# Altium PCB PCB_CL-STM32.PcbDoc (continued)
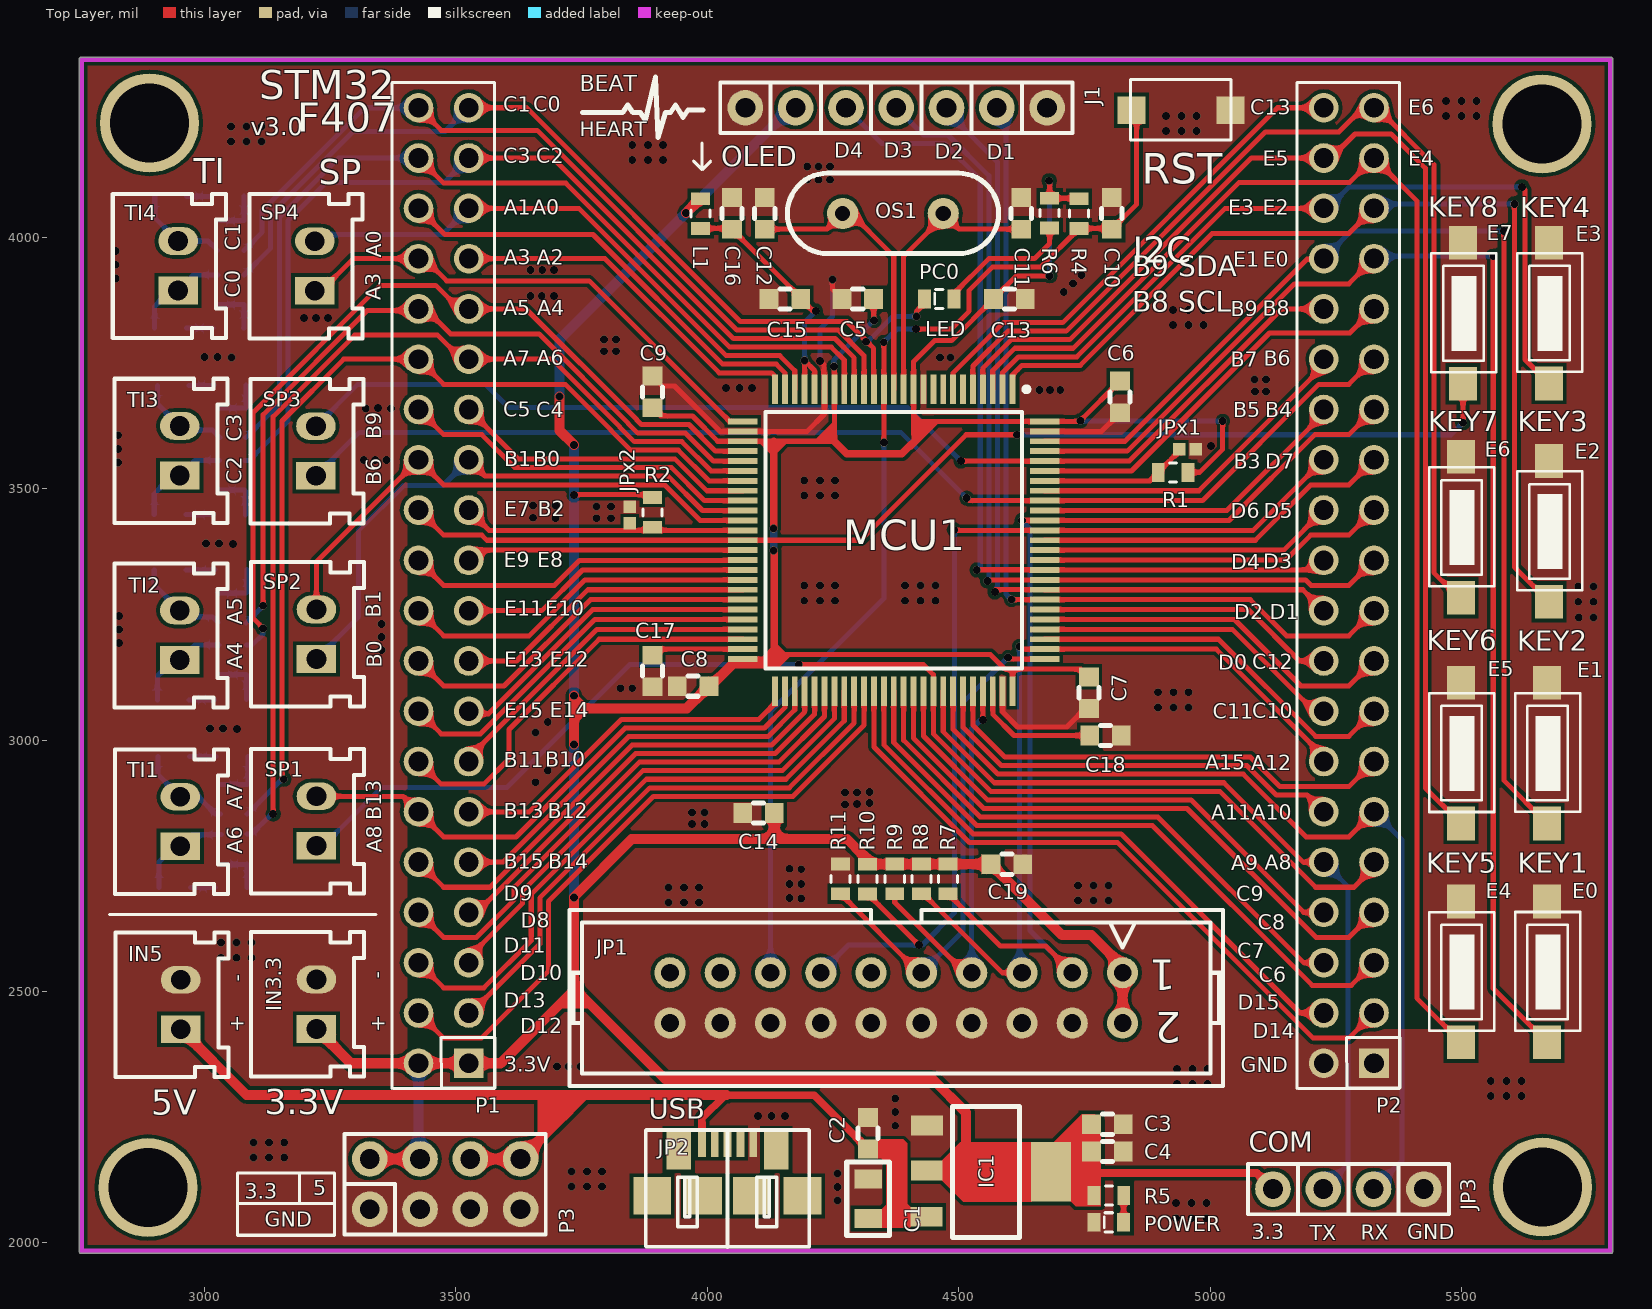
[diagram p0: Top Layer view]
## Nets (pads, with @x,y where several pads share a name; then routed paths per layer and width w, separated by ;. In a path a pad name is that pad's centre, name@x,y a point inside that pad or via, vN(x,y) a via of type N, cw(c..) or ccw(c..) an arc to the next point about the centre after c; other vN are vias at no path point)
3.3V: C3.2 C4.2 C5.2 C6.2 C7.2 C8.2 C9.2 C13.2 C14.2 C19.2 IC1.2 IN3.3.1 J1.2 JP1.1 JP1.2 JP3.1 L1.2 MCU1.11 MCU1.19 MCU1.28 MCU1.50 MCU1.75 MCU1.100 P1.1 P1.2 P3.2 P3.4 R1.1 R2.1 R4.2 R5.1 R6.1 R7.2 R8.2 R9.2 R10.2 | length 10079
  Top Layer w10: v1(3735,3487) 3736.05,3488.05 3890.94,3488.05 R2.1 ; C9.2 3907.45,3644.23 3970.81,3644.23 4020.96,3594.08 MCU1.28 4132,3594.08 4252.83,3594.08 MCU1.19 4252.83,3742.17 v1(4252,3743) ; 4053,3153 4061.01,3161.01 MCU1.50 4124.01,3161.01 4133,3170 4563,3170 4592,3141 4743.5,3141 C7.2 C7.2@4749.5,3135 ; J1.2@4167.89,4257.23 J1.2 ; C5.2 4330.94,3834.94 4331.89,3834 v1(4332,3834) ; MCU1.75 4607.17,3141 ; v1(4680,4112) 4680.94,4111.06 R6.1 4738.5,4077.23 R4.2 ; v1(4681,3923) 4615.22,3923 C13.2 4486.22,3794 4452,3794 4410.31,3752.32 MCU1.11 4410.31,3630.68 4429.5,3611.5 4451.45,3633.45 MCU1.100 4740.67,3633.45 v1(4742,3634.78) C6.2 ; R1.1 4979.23,3532.23 5025,3578 v1(5025,3634)
  Top Layer w15: C8.2 4049.5,3153 4053,3153 ; v1(4132,3377.17) 4133,3376.17 4133,3170 ; v1(4132,3421) 4132,3594.08 ; 4252.83,3594.08 4277.92,3569 4387,3569 4429.5,3611.5 ; IC1.2@4683.56,2141.31 4685.87,2139 5093,2139 JP3.1
  Top Layer w20: IN3.3.1 3291.34,2357.23 P1.2 P1.1 3589.23,2357.23 3735,2503 v1(3735,2687) 3735,2688 3850,2803 4133.5,2803 ; P3.2 P3.4 P3.4@3425.94,2170.06 ; v1(3706,3683) 3706,3616 v1(3735,3587) ; 3735,2507 3916,2326 4448,2326 4515,2259 4515,2191 4516,2190 ; v1(3735,3088) v1(3735,2991) 3735,3063 3959.5,3063 C8.2 ; v1(3958,4048) 3986.29,4076.29 L1.2 ; C14.2 4133.5,2803 ; R10.2@4319,2753.29 R8.2 R7.2 4564.22,2753.29 C19.2 4705.5,2612 4764,2612 4825.94,2550.06 JP1.1 JP1.2 ; R10.2@4322,2759 4278,2803 4133.5,2803
  Bottom Layer w10: v1(4252,3743) 4252,3756.11 4307.77,3811.87 4307.87,3811.87 4330,3834 v1(4332,3834) ; v1(4680,4112) 4681,4111 v1(4681,3923) ; v1(4742,3634.78) 4742.78,3634 v1(5025,3634)
  Bottom Layer w15: v1(4132,3377.17) v1(4132,3421)
  Bottom Layer w20: P1.2 3425.94,2170.06 P3.4 ; v1(3706,3683) 3706,3796 4167.23,4257.23 J1.2 ; v1(3735,2687) v1(3735,2991) ; v1(3735,3088) v1(3735,3487) v1(3735,3587)
5V: C1.2 C2.2 IC1.3 IN5.1 JP2.1 P3.6 P3.7 | length 1837.3
  Top Layer w15: JP2.1 3989.5,2247.94 4035.56,2294 4212.5,2294 C2.2
  Top Layer w20: IN5.1 3083.82,2294 3666,2294 3709.5,2250.5 3712.5,2250.5 ; P3.6 P3.7 3712.5,2250.5 ; 4038.56,2294 3756,2294 3712.5,2250.5
BOOT0: JPx1.1 MCU1.94 R1.2 | length 294.6
  Top Layer w10: MCU1.94 4880,3515.34 R1.2 JPx1.1@4940.62,3575.97
BOOT1: JPx2.1 MCU1.37 P1.23 R2.2 | length 561.5
  Top Layer w10: P1.23 3566.26,3416.92 MCU1.37
DC: J1.6 MCU1.82 P2.19 | length 1761.5
  Top Layer w10: v1(4605.06,3279.12) MCU1.82 5080.01,3279.12 5151.9,3207.23 5275.94,3207.23 P2.19
  Bottom Layer w10: J1.6 4593.94,4239.23 4593.94,3290.23 v1(4605.06,3279.12)
GND: C1.1 C2.1 C3.1 C4.1 C5.1 C6.1 C7.1 C8.1 C9.1 C10.1 C11.2 C12.2 C13.1 C14.1 C15.1 C16.1 C17.2 C18.2 C19.1 CTI1.2 CTI2.2 CTI3.1 CTI4.1 CTI5.2 CTI6.2 CTI7.1 CTI8.1 CTI9.2 CTI10.2 CTI11.1 CTI12.1 CTI13.2 CTI14.2 CTI15.1 CTI16.1 IC1.1 IN3.3.2 IN5.2 J1.1 J1.7 JP1.4 JP1.6 JP1.8 JP1.10 JP1.12 JP1.14 JP1.16 JP1.18 JP1.20 JP2.5 JP3.4 JPx1.2 JPx2.2 KEY1.2 KEY2.2 KEY3.2 KEY4.2 KEY5.2 KEY6.2 KEY7.2 KEY8.2 MCU1.10 MCU1.20 MCU1.27 MCU1.74 MCU1.99 P2.1 P2.2 P3.1 P3.3 P3.5 P3.8 POWER.2 R11.1 RST.2 | length 1559
  Top Layer w10: C9.1 3910.67,3704 3935.08,3704 4025.32,3613.77 MCU1.27 4198.73,3613.77 4233.15,3648.19 MCU1.20 4232.13,3698.45 4232.13,3745.87 v1(4224,3754) ; v1(4249,3916) 4249,3896.18 C5.1 ; MCU1.74 4587.48,3055.56 4617.04,3026 4715.12,3026 4751.62,3062.5 C7.1 ; MCU1.99 4783.98,3613.77 C6.1
  Bottom Layer w10: CTI8.1 3020.5,3338 CTI7.1 ; CTI10.2 3017.82,3448 CTI9.2 ; CTI14.2 CTI13.2@3017.43,3818.81 ; CTI16.1 3014.64,4081 CTI15.1 ; CTI6.2 3020.54,3080 CTI5.2 ; CTI12.1 3018.68,3705.14 CTI11.1 ; CTI4.1 CTI3.1 ; CTI2.2 CTI1.2 ; v1(4224,3754) 4224,3817 4249,3842 v1(4249,3916)
  other v1: 4932,2049 4963,2049 4993,2049 4932,2079 4963,2079 4993,2079 4259,2084 4259,2111 3730,2112 3761,2112 3791,2112 4259,2138 3730,2142 3761,2142 3791,2142 3098,2170 3129,2170 3159,2170 3098,2200 3129,2200 3159,2200 4374,2233 4101,2252 4128,2252 4155,2252 4374,2260 4374,2287 5558,2292 5589,2292 5619,2292 4934,2316 4965,2316 4995,2316 5558,2322 5589,2322 5619,2322 4934,2346 4965,2346 4995,2346 3701,2351 3724,2351 3748,2351 5501,2504 5501,2531 5501,2558 3033,2567 3064,2567 3094,2567 3033,2597 3064,2597 3094,2597 3923,2677 3954,2677 3984,2677 4737,2681 4768,2681 4798,2681 4187,2685 4164,2686 3923,2707 3954,2707 3984,2707 4737,2711 4768,2711 4798,2711 4164,2714 4187,2714 4187,2743 4164,2744 3970,2833 3995,2833 3970,2856 3995,2856 4274,2872 4298,2873 4323,2875 4274,2896 4298,2896 4323,2897 3659,2916 3683,2939 5501,2942 5501,2969 5501,2996 3659,3015 3065,3022 3011,3023 3037,3023 3683,3036 4896,3065 4927,3065 4957,3065 4896,3095 4927,3095 4957,3095 3828,3103 3851,3103 3352,3179 2830,3193 3352,3205 2830,3220 3352,3231 5733,3244 5762,3244 2830,3247 5732,3275 5762,3275 4193,3277 4224,3277 4254,3277 4393,3277 4424,3277 4454,3277 5732,3305 5762,3305 4193,3307 4224,3307 4254,3307 4393,3307 4424,3307 4454,3307 5502,3389 3057,3390 3003,3391 3029,3391 5502,3416 3698,3441 3780,3441 3809,3441 3654,3442 5502,3443 3780,3464 3809,3464 3654,3466 3698,3466 4193,3486 4224,3486 4254,3486 4193,3516 4224,3516 4254,3516 2828,3552 3317,3557 3340,3557 3362,3557 2828,3579 5002,3585 2828,3606 3321,3659 3371,3659 3345,3660 5089,3693 5111,3693 4661,3696 4682,3696 4702,3696 4037,3700 4064,3700 4089,3700 5088,3717 5111,3717 3054,3761 4463,3761 4484,3761 3000,3762 3026,3762 3795,3773 3819,3773 3795,3796 3819,3796 5506,3814 4926,3825 4957,3825 4987,3825 3198,3839 3222,3839 3246,3839 5506,3841 4926,3855 4957,3855 4987,3855 5506,3868 3649,3883 3671,3883 3695,3883 4709,3891 4727,3908 2824,3918 4744,3925 3649,3935 3672,3935 3695,3935 2824,3945 2824,3972 4199,4114 4221,4114 4244,4114 4199,4140 4221,4140 4244,4140 3851,4153 3882,4153 3912,4153 3851,4183 3882,4183 3912,4183 3053,4190 3084,4190 3114,4190 4912,4211 4943,4211 4973,4211 3053,4220 3084,4220 3114,4220 4912,4241 4943,4241 4973,4241 5469,4241 5500,4241 5530,4241 5469,4271 5500,4271 5530,4271
I2C_SCL: MCU1.95 P2.31 | length 788.3
  Top Layer w10: MCU1.95 4843.74,3535.03 5117.94,3809.23 5277.94,3809.23 P2.31
I2C_SDA: MCU1.96 P2.32 SP3.2 | length 2226.9
  Top Layer w10: v1(4504.29,3554.71) MCU1.96 4839.38,3554.71 5141.9,3857.23 P2.32
  Bottom Layer w10: SP3.2 3305.23,3707.23 3558.77,3707.23 3605,3661 4398,3661 v1(4504.29,3554.71)
JTCK: JP1.9 MCU1.76 R11.2 | length 998.7
  Top Layer w10: R11.2 4421.94,2537.23 JP1.9 ; v1(4598,3164) 4601.18,3160.82 4671.14,3160.82 MCU1.76
  Bottom Layer w10: JP1.9 4508.94,2620.23 4508.94,3074.94 v1(4598,3164)
JTDI: JP1.5 MCU1.77 P2.14 R8.1 | length 1621.8
  Top Layer w10: R8.1 4429.76,2694.23 4586.76,2537.23 JP1.5 ; v1(4620.94,3186.23) 4626.48,3180.7 MCU1.77 5012.48,3180.7 5225.94,2967.23 P2.14
  Bottom Layer w10: v1(4620.94,3186.23) 4620.94,2542.23 JP1.5
JTDO: JP1.13 MCU1.89 P2.26 R10.1 | length 2015.4
  Top Layer w10: R10.1 4420.77,2592.23 v1(4421,2592.23) ; v1(4491,3418) 4492.27,3416.73 4671.14,3416.73 MCU1.89 5085.63,3416.92 P2.26
  Bottom Layer w10: JP1.13 4280.94,2592.23 v1(4421,2592.23) 4427.94,2592.23 4491.94,2656.23 4491.94,3417.06 v1(4491,3418)
JTMS: JP1.7 MCU1.72 R9.1 | length 799.9
  Top Layer w10: R9.1 4372.94,2676.93 4512.64,2537.23 JP1.7 ; v1(4548.11,3039.88) MCU1.72
  Bottom Layer w10: JP1.7 4525.94,3022.48 4543.34,3039.88 v1(4548.11,3039.88)
JTRST: JP1.3 MCU1.90 P2.27 R7.1 | length 2044.7
  Top Layer w10: R7.1 4582.94,2590.23 4672.94,2590.23 JP1.3 ; v1(4625.57,3436.6) MCU1.90 5037.64,3436.6 5208.27,3607.23 5275.94,3607.23 P2.27
  Bottom Layer w10: v1(4625.57,3436.6) 4641.94,3420.23 4641.94,2621.23 JP1.3
KEY1: KEY1.1 MCU1.97 P2.33 | length 2659.7
  Top Layer w10: MCU1.97 4835.03,3574.4 5167.86,3907.23 5275.94,3907.23 P2.33 ; v1(5563,3962) 5563,2505.92 KEY1.1
  Bottom Layer w10: P2.33 5330.71,3962 v1(5563,3962)
KEY2: KEY2.1 MCU1.98 P2.34 | length 2319.7
  Top Layer w10: MCU1.98 4830.67,3594.08 5192.59,3956 5212.18,3956 5225.94,3942.23 P2.34 ; v1(5584,4012) 5584,2919.89 KEY2.1
  Bottom Layer w10: P2.34 5280.71,4012 v1(5584,4012)
KEY3: KEY3.1 MCU1.1 P2.35 | length 1988.8
  Top Layer w10: MCU1.1 4607.17,3726.24 4625.92,3745 4741.92,3745 5004.15,4007.23 5275.94,4007.23 P2.35 ; v1(5605,4066) 5605,3343.85 KEY3.1
  Bottom Layer w10: P2.35 5328.18,4055 5339.18,4066 v1(5605,4066)
KEY4: KEY4.1 MCU1.2 P2.36 | length 1632.1
  Top Layer w10: MCU1.2 4587.48,3730.6 4618.88,3762 4734.88,3762 5030.11,4057.23 P2.36 ; v1(5620,4100) 5626,4094 5626,3756.82 KEY4.1
  Bottom Layer w10: P2.36 5233.94,4057.23 5276.71,4100 v1(5620,4100)
KEY5: KEY5.1 MCU1.3 P2.37 | length 2800.6
  Top Layer w10: MCU1.3 4567.8,3734.96 4611.84,3779 4727.84,3779 5057.07,4108.23 5276.94,4108.23 P2.37 5411,4072.18 5411,2486.79 KEY5.1
KEY6: KEY6.1 MCU1.4 P2.38 | length 2475.3
  Top Layer w10: MCU1.4 4548.11,3739.31 4604.8,3796 4720.8,3796 5082.03,4157.23 P2.38 5240.23,4157.23 5288,4205 5360,4205 5428,4137 5428,2904.76 KEY6.1
KEY7: KEY7.1 MCU1.5 P2.39 | length 2115.6
  Top Layer w10: MCU1.5 4528.43,3743.67 4597.75,3813 4713.75,3813 5109.99,4209.23 5256.23,4209.23 5304.23,4257.23 P2.39 5331.81,4257.23 5445,4144.04 5445,3332.73 KEY7.1@5502.89,3274.84
KEY8: KEY8.1 MCU1.38 P1.24 | length 2276.3
  Top Layer w10: P1.24 3475.94,3407.23 3551.9,3407.23 3561.9,3397.23 MCU1.38 4305.23,3397.23 4515,3607 v1(4616,3607) ; v1(5502.89,3630.89) KEY8.1
  Bottom Layer w10: v1(4616,3607) 5479,3607 v1(5502.89,3630.89)
LED: LED.2 MCU1.15 P1.39 RTI13.1 | length 1871.9
  Top Layer w10: P1.39 3640.94,4257.23 4065.94,3832.23 4277.77,3832.23 4331.13,3778.87 4331.13,3697.88 MCU1.15 ; v1(4415.94,3842.23) 4415.94,3852.23 4431.89,3868.18 LED.2
  Bottom Layer w10: RTI13.1 3132.09,3977.95 3132.09,4046.05 3296.04,4210 3478.71,4210 P1.39 ; v1(4316,3792) 4319,3792 4369.23,3842.23 v1(4415.94,3842.23)
NetC17_1: C17.1 MCU1.49 | length 186.6
  Top Layer w10: C17.1@3888.94,3169.23 3900.41,3180.7 MCU1.49
NetC18_1: C18.1 MCU1.73 | length 256
  Top Layer w10: MCU1.73 4567.98,3096.85 4567.98,3051.02 4610,3009 C18.1
NetCTI1_1: CTI1.1 RTI1.2 RTI2.1 | length 98.5
  Bottom Layer w10: RTI2.1 3084.23,2752.69 RTI1.2 3085.18,2707.19 CTI1.1
NetCTI2_1: CTI2.1 RTI2.2 TI1.1 | length 197.9
  Bottom Layer w10: CTI2.1 2909.68,2757.68 2940.69,2788.69 TI1.1 2975.23,2811.75 RTI2.2
NetCTI3_2: CTI3.2 RTI3.2 RTI4.1 | length 108.8
  Bottom Layer w10: RTI4.1 3085.12,2911.69 RTI3.2 3086.5,2913.07 CTI3.2
NetCTI4_2: CTI4.2 RTI4.2 TI1.2 | length 192.7
  Bottom Layer w10: CTI4.2 2907.5,2931.79 TI1.2 2987.88,2887.12 3022.36,2852.64 RTI4.2
NetCTI5_1: CTI5.1 RTI5.2 RTI6.1 | length 105.1
  Bottom Layer w10: RTI6.1 3084.12,3130.14 3083.67,3129.69 CTI5.1
NetCTI6_1: CTI6.1 RTI6.2 TI2.1 | length 195.1
  Bottom Layer w10: CTI6.1 2906.5,3126.5 2939.14,3159.14 TI2.1 2981.23,3189.19 RTI6.2
NetCTI7_2: CTI7.2 RTI7.2 RTI8.1 | length 103.7
  Bottom Layer w10: RTI8.1 3028.12,3292.19 RTI7.2 3084.5,3293.51 CTI7.2
NetCTI8_2: CTI8.2 RTI8.2 TI2.2 | length 187.2
  Bottom Layer w10: CTI8.2 2900.5,3308.24 TI2.2 2963.74,3245 3016.26,3245 RTI8.2
NetCTI9_1: CTI9.1 RTI9.2 RTI10.1 | length 100.6
  Bottom Layer w10: RTI10.1 3080.12,3497.14 RTI9.2 3081.67,3495.59 CTI9.1
NetCTI10_1: CTI10.1 RTI10.2 TI3.1 | length 198.8
  Bottom Layer w10: CTI10.1 2900.5,3489.5 2937.14,3526.14 TI3.1 2981.23,3556.19 RTI10.2
NetCTI11_2: CTI11.2 RTI11.2 RTI12.1 | length 97.2
  Bottom Layer w10: RTI12.1 3082.12,3660.14 RTI11.2 3082.67,3660.69 CTI11.2
NetCTI12_2: CTI12.2 RTI12.2 TI3.2 | length 188.7
  Bottom Layer w10: CTI12.2 2906.68,3669.06 TI3.2 2959.74,3616 3016.26,3616 RTI12.2
NetCTI13_1: CTI13.1 RTI13.2 RTI14.1 | length 99.1
  Bottom Layer w10: RTI14.1 RTI13.2 ; CTI13.1@3078.46,3818.81 3078.94,3819.3 RTI13.2
NetCTI14_1: CTI14.1 RTI14.2 TI4.1 | length 195
  Bottom Layer w10: CTI14.1 2901.45,3862.45 2932.81,3893.81 TI4.1 2979,3924.86 RTI14.2
NetCTI15_2: CTI15.2 RTI15.2 RTI16.1 | length 101.5
  Bottom Layer w10: RTI16.1 3078.89,4032.81 CTI15.2@3078.89,4081.36
NetCTI16_2: CTI16.2 RTI16.2 TI4.2 | length 193.7
  Bottom Layer w10: CTI16.2 2901.5,4038.67 TI4.2 3007.46,3992.23 RTI16.2
NetLED_1: LED.1 R6.2 | length 272.9
  Top Layer w10: LED.1 4490.94,3888.13 4560.05,3957.23 4650.94,3957.23 4680.94,3987.23 R6.2
NetPOWER_1: POWER.1 R5.2 | length 53.2
  Top Layer w10: POWER.1 4828,2093.77 R5.2
"OS 8M IN": C11.1 MCU1.12 OS1.2 | length 556.4
  Top Layer w10: MCU1.12 4390.63,3961.92 4459.45,4030.74 OS1.2@4459.45,4057.23 ; OS1.2 4500.94,4015.74 C11.1
"OS 8M OUT": C12.1 MCU1.13 OS1.1 | length 583.7
  Top Layer w10: C12.1 4237.95,4015.74 OS1.1 ; OS1.1@4259.45,4057.23 4275.94,4057.23 4370.94,3962.23 MCU1.13
"OS 32K IN": MCU1.8
"OS 32K OUT": MCU1.9
PA0: MCU1.23 P1.35 SP4.2 | length 1159.8
  Top Layer w10: P1.35 3744.78,4057.23 4037.78,3764.23 4144.37,3764.23 4174.09,3734.5 MCU1.23
  Bottom Layer w10: SP4.2 3219.77,4005 3473.71,4005 P1.35
PA1: MCU1.24 P1.36 | length 896.7
  Top Layer w10: P1.36 3478.18,4005 3772.97,4005 4030.74,3747.23 4137.32,3747.23 4154.41,3730.15 MCU1.24
PA2: MCU1.25 P1.33 | length 731.6
  Top Layer w10: P1.33 3796.7,3957.23 4023.7,3730.23 4127.86,3730.23 4134.72,3723.37 MCU1.25
PA3: MCU1.26 P1.34 SP4.1 | length 1011.5
  Top Layer w10: SP4.1 3232.52,3893.52 3296.23,3957.23 P1.34 3437.77,3957.23 3482,3913 3765.18,3913 4044.72,3633.45 MCU1.26
PA4: MCU1.29 P1.31 RTI5.1 | length 1705.6
  Top Layer w10: v1(3117,3222) 3097.13,3241.87 3097.13,3651.17 3349.96,3904 3460,3904 3506.77,3857.23 P1.31 3639.89,3857.23 3859.26,3637.86 3859.26,3637.06 3869.09,3627.23 3963.77,3627.23 4016.6,3574.4 MCU1.29
  Bottom Layer w10: RTI5.1 3095.14,3189.14 3117,3211 v1(3117,3222)
PA5: MCU1.30 P1.32 RTI7.1 | length 1594.5
  Top Layer w10: v1(3117,3266.96) 3117,3647 3323.96,3853.96 3422.67,3853.96 P1.32 3439.77,3857.23 3489.77,3807.23 3665.85,3807.23 3842.26,3630.82 3842.26,3630.02 3862.05,3610.23 3956.73,3610.23 4012.25,3554.71 MCU1.30
  Bottom Layer w10: RTI7.1 v1(3117,3266.96)
PA6: MCU1.31 P1.29 RTI1.1 | length 1971.6
  Top Layer w10: v1(3137,2853) 3137,3642.96 3299.04,3805 3464,3805 3511.77,3757.23 P1.29 3691.81,3757.23 3825.26,3623.78 3825.26,3622.98 3855.01,3593.23 3949.68,3593.23 4007.89,3535.03 MCU1.31
  Bottom Layer w10: RTI1.1 3093.64,2812.69 3133.95,2853 v1(3137,2853)
PA7: MCU1.32 P1.30 RTI3.1 | length 1885.3
  Top Layer w10: v1(3158,2922) 3154.48,2922 3154.48,3634.48 3277.23,3757.23 P1.30 3475.94,3707.23 3717.77,3707.23 3808.26,3616.74 3808.26,3615.94 3847.97,3576.23 3942.64,3576.23 4003.53,3515.34 MCU1.32
  Bottom Layer w10: RTI3.1 3154.48,2922 v1(3158,2922)
PA8: MCU1.67 P2.9 SP1.1 | length 2561.4
  Top Layer w10: v1(4182,3150) 4429.62,3150 4437.31,3142.31 4449.69,3129.94 MCU1.67 4449.69,3012.33 4564.01,2898 5019.18,2898 5209.94,2707.23 5285.94,2707.23 5325.94,2747.23 P2.9
  Bottom Layer w10: SP1.1@3244.43,2811 SP1.1 3236.57,2789.57 3353,2906 3602,2906 3846,3150 v1(4182,3150)
PA9: JP3.2 MCU1.68 P2.10 | length 1634.8
  Top Layer w10: MCU1.68 4469.37,3016.68 4571.05,2915 5027.18,2915 5184.94,2757.23 P2.10
  Bottom Layer w10: JP3.2 5274,2156 5274,2709.18 P2.10
PA10: JP3.3 MCU1.69 P2.11 | length 1819.2
  Top Layer w10: MCU1.69 4489.06,3021.04 4578.09,2932 5066.18,2932 5190.94,2807.23 5275.94,2807.23 P2.11
  Bottom Layer w10: JP3.3 5382,2164 5382,2801.18 P2.11
PA11: MCU1.70 P2.12 | length 858.5
  Top Layer w10: MCU1.70 4508.74,3025.4 4585.14,2949 5073.22,2949 5131.99,2890.23 5192.94,2890.23 P2.12
PA12: MCU1.71 P2.13 | length 936.4
  Top Layer w10: MCU1.71 4528.24,3096.85 4528.24,3029.94 4592.18,2966 5080.26,2966 5139.03,2907.23 5275.94,2907.23 P2.13
PB0: MCU1.35 P1.25 SP2.1 | length 1154.1
  Top Layer w10: P1.25 3557.94,3525.23 3921.52,3525.23 3990.46,3456.29 MCU1.35
  Bottom Layer w10: SP2.1 3307,3245.3 3307,3417 3396,3506 3474.71,3506 P1.25
PB1: MCU1.36 P1.26 SP2.2 | length 1076.3
  Top Layer w10: SP2.2 3223,3354.29 P1.26 3475.94,3507.23 3915.48,3507.23 3986.11,3436.6 MCU1.36
PB5: MCU1.91 P2.28 | length 642.9
  Top Layer w10: MCU1.91 5033.29,3456.29 5225.94,3648.94 P2.28
PB6: MCU1.92 P2.29 SP3.1 | length 2312.5
  Top Layer w10: v1(4516,3481) 4521.03,3475.97 MCU1.92 4985.01,3475.97 5216.27,3707.23 5275.94,3707.23 P2.29
  Bottom Layer w10: SP3.1 3308.3,3611.87 4385.13,3611.87 v1(4516,3481)
PB7: MCU1.93 P2.30 | length 670.9
  Top Layer w10: MCU1.93 4977.66,3495.66 5225.94,3743.94 P2.30
PB10: MCU1.47 P1.13 | length 658.3
  Top Layer w10: P1.13 3525.94,2965.11 3780.9,3220.07 MCU1.47
PB11: MCU1.48 P1.14 | length 817.3
  Top Layer w10: P1.14 3470.94,2912.23 3555.94,2912.23 3605.94,2962.23 3605.94,3021.07 3785.26,3200.38 MCU1.48
PB12: MCU1.51 P1.11 | length 722.4
  Top Layer w10: P1.11 3645.94,2857.23 3829.71,3041 4103,3041 4134.72,3072.72 MCU1.51
PB13: MCU1.52 P1.12 SP1.2 | length 1104.1
  Top Layer w10: SP1.2 3395.18,2888 P1.12 3475.94,2807.23 3619.99,2807.23 3836.75,3024 4114.09,3024 4154.41,3064.32 MCU1.52
PB14: MCU1.53 P1.9 | length 810.6
  Top Layer w10: P1.9 3594.03,2757.23 3843.8,3007 4121.13,3007 4174.09,3059.96 MCU1.53
PB15: MCU1.54 P1.10 | length 974.3
  Top Layer w10: P1.10 3475.94,2707.23 3568.07,2707.23 3850.84,2990 4128.18,2990 4193.78,3055.6 MCU1.54
PC1: MCU1.16 P1.40 RTI15.1 | length 1646.7
  Top Layer w10: P1.40 3470.94,4212.23 3661.9,4212.23 4058.9,3815.23 4261.03,3815.23 4311.89,3764.37 MCU1.16
  Bottom Layer w10: RTI15.1 3115.09,4009.95 3115.09,4053.09 3319.23,4257.23 P1.40
PC2: MCU1.17 P1.37 RTI9.1 | length 1921.8
  Top Layer w10: P1.37 3692.86,4157.23 4051.86,3798.23 4253.99,3798.23 4292.2,3760.01 MCU1.17
  Bottom Layer w10: RTI9.1 3089.14,3556.14 3166.09,3633.09 3166.09,4031.97 3243.12,4109 3477.71,4109 P1.37
PC3: MCU1.18 P1.38 RTI11.1 | length 1862.6
  Top Layer w10: P1.38 3475.94,4107.23 3718.82,4107.23 4044.82,3781.23 4246.94,3781.23 4272.52,3755.66 MCU1.18
  Bottom Layer w10: RTI11.1 3149.09,3668.05 3149.09,4039.01 3267.32,4157.23 P1.38
PC4: MCU1.33 P1.27 | length 611.7
  Top Layer w10: P1.27 3623.94,3559.23 3935.6,3559.23 3999.18,3495.66 MCU1.33
PC5: MCU1.34 P1.28 | length 719.9
  Top Layer w10: P1.28 3475.94,3607.23 3551.9,3607.23 3616.9,3542.23 3928.56,3542.23 3994.82,3475.97 MCU1.34
PC6: MCU1.63 P2.5 | length 1275.7
  Top Layer w10: MCU1.63 4370.94,2994.9 4535.84,2830 4885.18,2830 5202.94,2512.23 5280.94,2512.23 P2.5
PC7: MCU1.64 P2.6 | length 1116.2
  Top Layer w10: MCU1.64 4390.63,2999.26 4542.89,2847 4896.18,2847 5185.94,2557.23 P2.6
PC8: MCU1.65 P2.7 | length 1193.9
  Top Layer w10: MCU1.65 4410.31,3003.61 4549.93,2864 4954.18,2864 5210.94,2607.23 5275.94,2607.23 P2.7
PC9: MCU1.66 P2.8 | length 1030.3
  Top Layer w10: MCU1.66 4430,3007.97 4556.97,2881 4962.18,2881 5185.94,2657.23 P2.8
PC10: MCU1.78 P2.15 | length 755.5
  Top Layer w10: MCU1.78 5016.84,3200.38 5209.99,3007.23 5275.94,3007.23 P2.15
PC11: MCU1.79 P2.16 | length 622.3
  Top Layer w10: MCU1.79 5044.07,3220.07 5206.9,3057.23 P2.16
PC12: MCU1.80 P2.17 | length 730.4
  Top Layer w10: MCU1.80 5048.43,3239.75 5180.94,3107.23 5275.94,3107.23 P2.17
PC13: MCU1.7 P2.40 | length 987.9
  Top Layer w10: MCU1.7 4489.06,3730.15 4588.91,3830 4706.71,3830 5133.94,4257.23 P2.40
PD0: MCU1.81 P2.18 | length 597.1
  Top Layer w10: MCU1.81 5075.66,3259.44 5177.86,3157.23 P2.18
PD2: J1.5 MCU1.83 P2.20 | length 1692.1
  Top Layer w10: v1(4572,3294.14) 4572,3297.29 4573.71,3299 4670.95,3299 MCU1.83 5184.37,3298.81 P2.20
  Bottom Layer w10: J1.5 4475.94,4233.23 4493.03,4233.23 4576.94,4149.32 4576.94,3299.09 v1(4572,3294.14)
PD3: J1.4 MCU1.84 P2.21 | length 1842.6
  Top Layer w10: v1(4557,3316) 4559.49,3318.49 MCU1.84 5189.69,3318.49 5200.94,3307.23 5275.94,3307.23 P2.21
  Bottom Layer w10: J1.4 4430.14,4203 4479,4203 4559.94,4122.06 4559.94,3318.94 v1(4557,3316)
PD4: J1.3 MCU1.85 P2.22 | length 1804
  Top Layer w10: v1(4536,3338) 4536.55,3338.55 4670.76,3338.55 MCU1.85 5206.89,3338.18 P2.22
  Bottom Layer w10: J1.3 4347.18,4186 4471.96,4186 4542.94,4115.01 4542.94,3344.94 v1(4536,3338)
PD5: MCU1.86 P2.23 | length 696
  Top Layer w10: MCU1.86 5150.62,3357.86 5199.99,3407.23 5275.94,3407.23 P2.23
PD6: MCU1.87 P2.24 | length 587.8
  Top Layer w10: MCU1.87 5146.26,3377.55 P2.24
PD7: MCU1.88 P2.25 | length 721.1
  Top Layer w10: MCU1.88 5089.99,3397.23 5199.99,3507.23 5275.94,3507.23 P2.25
PD8: MCU1.55 P1.7 | length 896.5
  Top Layer w10: P1.7 3542.11,2657.23 3857.88,2973 4135.22,2973 4213.46,3051.25 MCU1.55
PD9: MCU1.56 P1.8 | length 1074.7
  Top Layer w10: P1.8 3475.94,2607.23 3540.94,2607.23 3616.15,2682.44 3616.15,2707.23 3864.92,2956 4142.26,2956 4233.15,3046.89 MCU1.56
PD10: MCU1.57 P1.5 | length 1003.4
  Top Layer w10: P1.5 3525.94,2568.19 3633.15,2675.4 3633.15,2700.19 3871.96,2939 4149.3,2939 4252.83,3042.53 MCU1.57
PD11: MCU1.58 P1.6 | length 1199.8
  Top Layer w10: P1.6 3475.94,2507.23 3555.94,2507.23 3650.15,2601.44 3650.15,2693.15 3879,2922 4156.34,2922 4272.52,3038.18 MCU1.58
PD12: MCU1.59 P1.3 | length 1122
  Top Layer w10: P1.3 3529.99,2457.23 3667.15,2594.4 3667.15,2686.11 3886.05,2905 4163.38,2905 4292.2,3033.82 MCU1.59
PD13: MCU1.60 P1.4 | length 1313.2
  Top Layer w10: P1.4 3475.94,2407.23 3550.94,2407.23 3684.15,2540.44 3684.15,2679.07 3893.09,2888 4170.43,2888 4311.89,3029.46 MCU1.60
PD14: MCU1.61 P2.3 | length 1365.7
  Top Layer w10: MCU1.61 4331.57,2986.19 4521.76,2796 4816.14,2796 5204.9,2407.23 5275.94,2407.23 P2.3
PD15: MCU1.62 P2.4 | length 1202.1
  Top Layer w10: MCU1.62 4351.26,2990.54 4528.8,2813 4823.18,2813 5178.94,2457.23 P2.4
PE8: MCU1.39 P1.21 | length 553.2
  Top Layer w10: P1.21 3546.26,3377.55 MCU1.39
PE9: MCU1.40 P1.22 | length 686.5
  Top Layer w10: P1.22 3475.94,3307.23 3695.94,3307.23 3745.94,3357.23 4070.12,3357.23 MCU1.40
PE10: MCU1.41 P1.19 | length 578.3
  Top Layer w10: P1.19 3670.94,3257.23 3751.89,3338.18 MCU1.41
PE11: MCU1.42 P1.20 | length 711.6
  Top Layer w10: P1.20 3475.94,3207.23 3645.94,3207.23 3757.2,3318.49 MCU1.42
PE12: MCU1.43 P1.17 | length 603.4
  Top Layer w10: P1.17 3620.94,3157.23 3762.52,3298.81 MCU1.43
PE13: MCU1.44 P1.18 | length 736.7
  Top Layer w10: P1.18 3475.94,3107.23 3595.94,3107.23 3767.83,3279.12 MCU1.44
PE14: MCU1.45 P1.15 | length 641.1
  Top Layer w10: P1.15 3525.94,3063.19 3536.9,3052.23 3564.99,3052.23 3772.19,3259.44 MCU1.45
PE15: MCU1.46 P1.16 | length 757.7
  Top Layer w10: P1.16 3470.94,3012.23 3549.03,3012.23 3776.55,3239.75 MCU1.46
RST: C10.2 JP1.15 MCU1.14 R4.1 RST.1 | length 2178.4
  Top Layer w10: v1(4351,3791) 4351.26,3790.74 MCU1.14 v1(4351.26,3592) ; v1(4415,3817) 4485.18,3817 4520.94,3852.77 4520.94,3894.08 4567.09,3940.23 4662.45,3940.23 R4.1 C10.2@4802.95,4017.23 ; C10.2 4854,4065.29 4854,4241.63 RST.1
  Bottom Layer w10: JP1.15 4125.94,3056.15 4351.26,3281.46 v1(4351.26,3592) ; v1(4351,3791) 4377.23,3817.23 4377.46,3817 v1(4415,3817)
VBAT: MCU1.6
VDDA: C15.2 C16.2 L1.1 MCU1.21 MCU1.22 | length 528.2
  Top Layer w10: L1.1 4047.95,4017.23 C16.2 4185.94,3879.24 C15.2 4209.94,3853.23 v1(4215.94,3853.23) ; MCU1.22 v1(4193.78,3754.4) 4213.46,3734.71 MCU1.21
  Bottom Layer w10: v1(4193.78,3754.4) 4193.78,3831.07 v1(4215.94,3853.23)
pads on no net: JP1.11 JP1.17 JP1.19 JP2.0 JP2.2 JP2.3 JP2.4

## Polygon pours and split planes (outlines as drawn)
GND on Top Layer "GND_L01_P000" (solid, remove dead copper, pour order 0): 2756,4353 5796,4353 5796,1984 2756,1984
GND on Bottom Layer "GND_L02_P002" (solid, remove dead copper, pour order 2): 2756,4353 5796,4353 5796,1984 5790,1990 2756,1990

## Keep-outs
Keep-Out Layer:
  lines w10: 2756,1984 2756,4353 5796,4353 5796,1984 2756,1984

## Other copper
Top Layer:
  pour cut-out: 3404.86,2357.23 3404.86,3757.23 3504.77,3757.23 3550,3712 3525.94,3687.94 3525.94,2357.23
  pour cut-out: 5316.41,2421.64 5320.21,2425.44 5465.24,2425.44 5407,2483.69 5407,4076.18 5325.94,4157.23 5284.71,4116 5208,4116 5208,2433 5222,2419
  region net 3.3V: 3735,2503 3699,2467 3771,2467
  region net 3.3V: 3735,3088 3744,3088 3770,3062 3745,3037 3735,3037
  region net 3.3V: 4723,2083 4733,2073 4783,2073 4783,2103 4783,2245 4772,2256 4745,2256 4689,2200 4656,2200
  region net 3.3V: 4467,2164 4503,2200 4645,2200 4645,2082 4509,2082 4467,2124
  region net 5V: 4339,2168 4346,2168 4356,2158 4356,2076 4347,2067 4347,2030 4403,2030 4405,2032 4405,2071 4398,2078 4398,2198 4390,2206 4339,2206
  region net 3.3V: 4217,3599 4248,3630 4248,3598.92 4252.83,3594.08
  region net 3.3V: 4467,3638 4426,3638 4412,3652 4411,3638 4406,3633 4406.39,3577.39
  region net 3.3V: 4100.92,3594.08 4131.5,3563.5 4162.08,3594.08
  region net 3.3V: 4105,3162 4136.5,3193.5 4164,3166 4154,3156 4105,3156
  region net 3.3V: 4012,3126 4042,3156 4069,3156 4012,3099
  region net 3.3V: 4154,3156 4141,3143 4056,3143 4069,3156
  region net 5V: 3663,2304 3771,2304 3663,2196
Bottom Layer:
  pour cut-out: 4506,3554.71 4542.23,3554.71 4542.94,3554 4542.94,3482 4519,3482 4517,3480
  pour cut-out: 5563,3962 5563,4043 5620,4100 5268.71,4100 5225.94,4057.23 5225.94,3957.23
  pour cut-out: 4516,3481 4491.94,3456.94 4491.94,3089.06 4502,3079 4589,3166 4632,3166 4632,3430.18 4625.57,3436.6
  pour cut-out: 4516.24,3075.73 4516.24,3076.04 4607.06,3166.86 4616,3157.91 4616,2548.09 4526,2548.09 4521,2543.09

## Silkscreen, mask and mechanical layers (free items; w line width, h text height)
Top Overlay:
  lines w6: 2812,2653 3341,2653 ; 3066,2077 3067,2078 3189,2078 ; 3189,2139 3189,2078 ; 3259,2078 3189,2078 ; 3576.49,2307.23 3577.4,2308.14 ; 3973,4151 3990,4134 ; 3990,4187 3990,4134 ; 4007,4151 3990,4134 ; 3066,2015.25 3259,2015.25 3259,2139 3066,2139 3066,2015.25
  lines w10: 3752,4248 3832,4248 3842,4263 3852,4248 3867,4248 3877,4233 3897,4318 3902,4198 3917,4248 3927,4248 3937,4263 3952,4238 3962,4253 3992,4253
  text "BEAT" at 3747,4279 h55
  text "STM32" at 3109,4254 h100
  text "C1" at 3594,4249 h30
  text "C0" at 3654,4249 h30
  text "C13" at 5080,4243 h30
  text "E6" at 5394,4243 h30
  text "v3.0" at 3092,4191 h60
  text "HEART" at 3747,4191 h50
  text "F407" at 3185,4190 h100
  text "D4" at 4253,4158 h30
  text "D3" at 4351,4158 h30
  text "D2" at 4452,4156 h30
  text "D1" at 4556,4155 h30
  text "C3" at 3594,4147 h30
  text "C2" at 3660,4147 h30
  text "E5" at 5105,4142 h30
  text "E4" at 5394,4142 h30
  text "OLED" at 4028,4141 h40
  text "TI" at 2979,4107 h50
  text "SP" at 3228,4105 h50
  text "A1" at 3595,4044 h30
  text "A0" at 3652,4044 h30
  text "E3" at 5036,4044 h30
  text "E2" at 5105,4044 h30
  text "E7" at 5550,3994 h30
  text "E3" at 5727,3992 h30
  text "C1" at 3071,3973 h30 r90
  text "A0" at 3352,3959 h30 r90
  text "A3" at 3595,3945 h30
  text "A2" at 3661,3945 h30
  text "E1" at 5046,3941 h30
  text "E0" at 5105,3941 h30
  text "I2C" at 4846,3931 h90
  text "PC0" at 4422,3916 h30
  text "C0" at 3071,3879 h30 r90
  text "A3" at 3351,3874 h30 r90
  text "A5" at 3594,3845 h30
  text "A4" at 3662,3845 h30
  text "B8" at 5105,3844 h30
  text "B9" at 5041,3843 h30
  text "B9 SDA / B8 SCL" at 4845,3838 h70
  text "A6" at 3661,3745 h30
  text "A7" at 3594,3744 h30
  text "B6" at 5107,3744 h30
  text "B7" at 5041,3742 h30
  text "C5" at 3594,3643 h30
  text "C4" at 3660,3642 h30
  text "B5" at 5046,3642 h30
  text "B4" at 5110,3642 h30
  text "B9" at 3352,3598 h30 r90
  text "C3" at 3074,3593 h30 r90
  text "E6" at 5546,3563 h30
  text "E2" at 5725,3559 h30
  text "B1" at 3596,3544 h30
  text "B0" at 3654,3544 h30
  text "B3" at 5047,3539 h30
  text "D7" at 5110,3539 h30
  text "C2" at 3074,3509 h30 r90
  text "B6" at 3352,3507 h30 r90
  text "E7" at 3596,3445 h30
  text "B2" at 3663,3445 h30
  text "D6" at 5041,3441 h30
  text "D5" at 5107,3441 h30
  text "E9" at 3595,3344 h30
  text "E8" at 3662,3344 h30
  text "D3" at 5106,3341 h30
  text "D4" at 5042,3340 h30
  text "E11" at 3596,3247 h30
  text "E10" at 3678,3247 h30
  text "B1" at 3351,3243 h30 r90
  text "D2" at 5048.43,3239.75 h30
  text "D1" at 5119,3240.14 h30
  text "A5" at 3075,3229 h30 r90
  text "E13" at 3596,3146 h30
  text "E12" at 3687,3146 h30
  text "B0" at 3353,3144 h30 r90
  text "A4" at 3075,3141 h30 r90
  text "C12" at 5084,3141 h30
  text "D0" at 5016,3140 h30
  text "E5" at 5552,3127 h30
  text "E1" at 5730,3125 h30
  text "E14" at 3687,3045 h30
  text "E15" at 3596,3044 h30
  text "C10" at 5084,3043 h30
  text "C11" at 5005,3042 h30
  text "B10" at 3678,2947 h30
  text "B11" at 3595,2946 h30
  text "A15" at 4990,2941 h30
  text "A12" at 5082,2940.22 h30
  text "A7" at 3075,2861 h30 r90
  text "B13" at 3595,2844 h30
  text "B12" at 3683,2844 h30
  text "A11" at 5002,2841 h30
  text "A10" at 5083,2841 h30
  text "B13" at 3352,2840 h30 r90
  text "A8" at 3353,2776 h30 r90
  text "A6" at 3075,2774 h30 r90
  text "B15" at 3595,2744 h30
  text "B14" at 3684,2744 h30
  text "A8" at 5109,2742 h30
  text "A9" at 5042,2741 h30
  text "E4" at 5548,2685 h30
  text "E0" at 5720,2685 h30
  text "D9" at 3595,2680 h30
  text "C9" at 5052,2679 h30
  text "D8" at 3629,2627 h30
  text "C8" at 5095,2623 h30
  text "D11" at 3595,2577 h30
  text "C7" at 5054,2566 h30
  text "-" at 3358,2525 h30 r90
  text "D10" at 3628,2522 h30
  text "-" at 3079,2519 h30 r90
  text "C6" at 5097,2518 h30
  text "D13" at 3595,2468 h30
  text "D15" at 5055,2464 h30
  text "+" at 3078,2419 h30 r90
  text "+" at 3359,2419 h30 r90
  text "D12" at 3628,2417 h30
  text "D14" at 5085,2407 h30
  text "3.3V" at 3596,2340 h30
  text "GND" at 5061,2339 h30
  text "3.3V" at 3120,2256 h50
  text "5V" at 2895,2255 h50
  text "USB" at 3884,2247 h40
  text "COM" at 5077,2181 h40
  text "5" at 3217,2095 h30
  text "3.3" at 3080,2088 h30
  text "GND" at 3120,2032 h30
  text "3.3" at 5083,2007 h30
  text "GND" at 5392,2007 h30
  text "RX" at 5300,2006 h30
  text "TX" at 5198,2005 h30
Bottom Overlay:
  lines w10: 3060,3782 3069,3773 3069,3753 3069,3752 3069,3751 3080,3740 ; 3064,3412 3073,3403 3073,3383 3073,3382 3073,3381 3084,3370 ; 3078,3043 3087,3034 3087,3014 3087,3013 3087,3012 3098,3001 ; 3083,2673 3092,2664 3092,2644 3092,2643 3092,2642 3103,2631 ; 3123,3837 3196,3837 3240,3793 3369,3793 ; 3123,4060 3194,4060 3244.5,4110.5 ; 3129,3724 3245,3724 ; 3137,3357 3367,3357 ; 3140,2989 3366,2989 ; 3147,2621 3360,2621 ; 3244.5,4112 3367,4112 ; 4613,3353 4643,3353 4653,3338 4668,3363 4678,3348 4688,3348 4703,3298 4708,3418 4728,3333 4738,3348 4753,3348 4763,3363 4773,3348 4853,3348
  text "BEAT" at 4858,3379 h55
  text "HEART" at 4858,3291 h50
  text "STM32F407" at 4955,3215 h100
  text "Designed by CanaanLV" at 5050,3123 h70
  text "2019.7" at 4842,3070 h70
  text "https://notes.canlv.top/" at 5032,2998 h70
  text "3.3V" at 4810,2591 h30 r270
  text "SWDCLK" at 4412.58,2587.18 h30 r270
  text "SWDIO" at 4513.71,2585.41 h30 r270
  text "GND" at 3909,2310 h30 r270

## Text inside footprints (layer, text, board x,y; h text height)
JP1: Top Overlay "2" at 4942.94,2458.23 h60 r180; Top Overlay "1" at 4931.94,2563.23 h60 r180